# Altium PCB MD070B.PcbDoc (part 1 of 2) (continued)
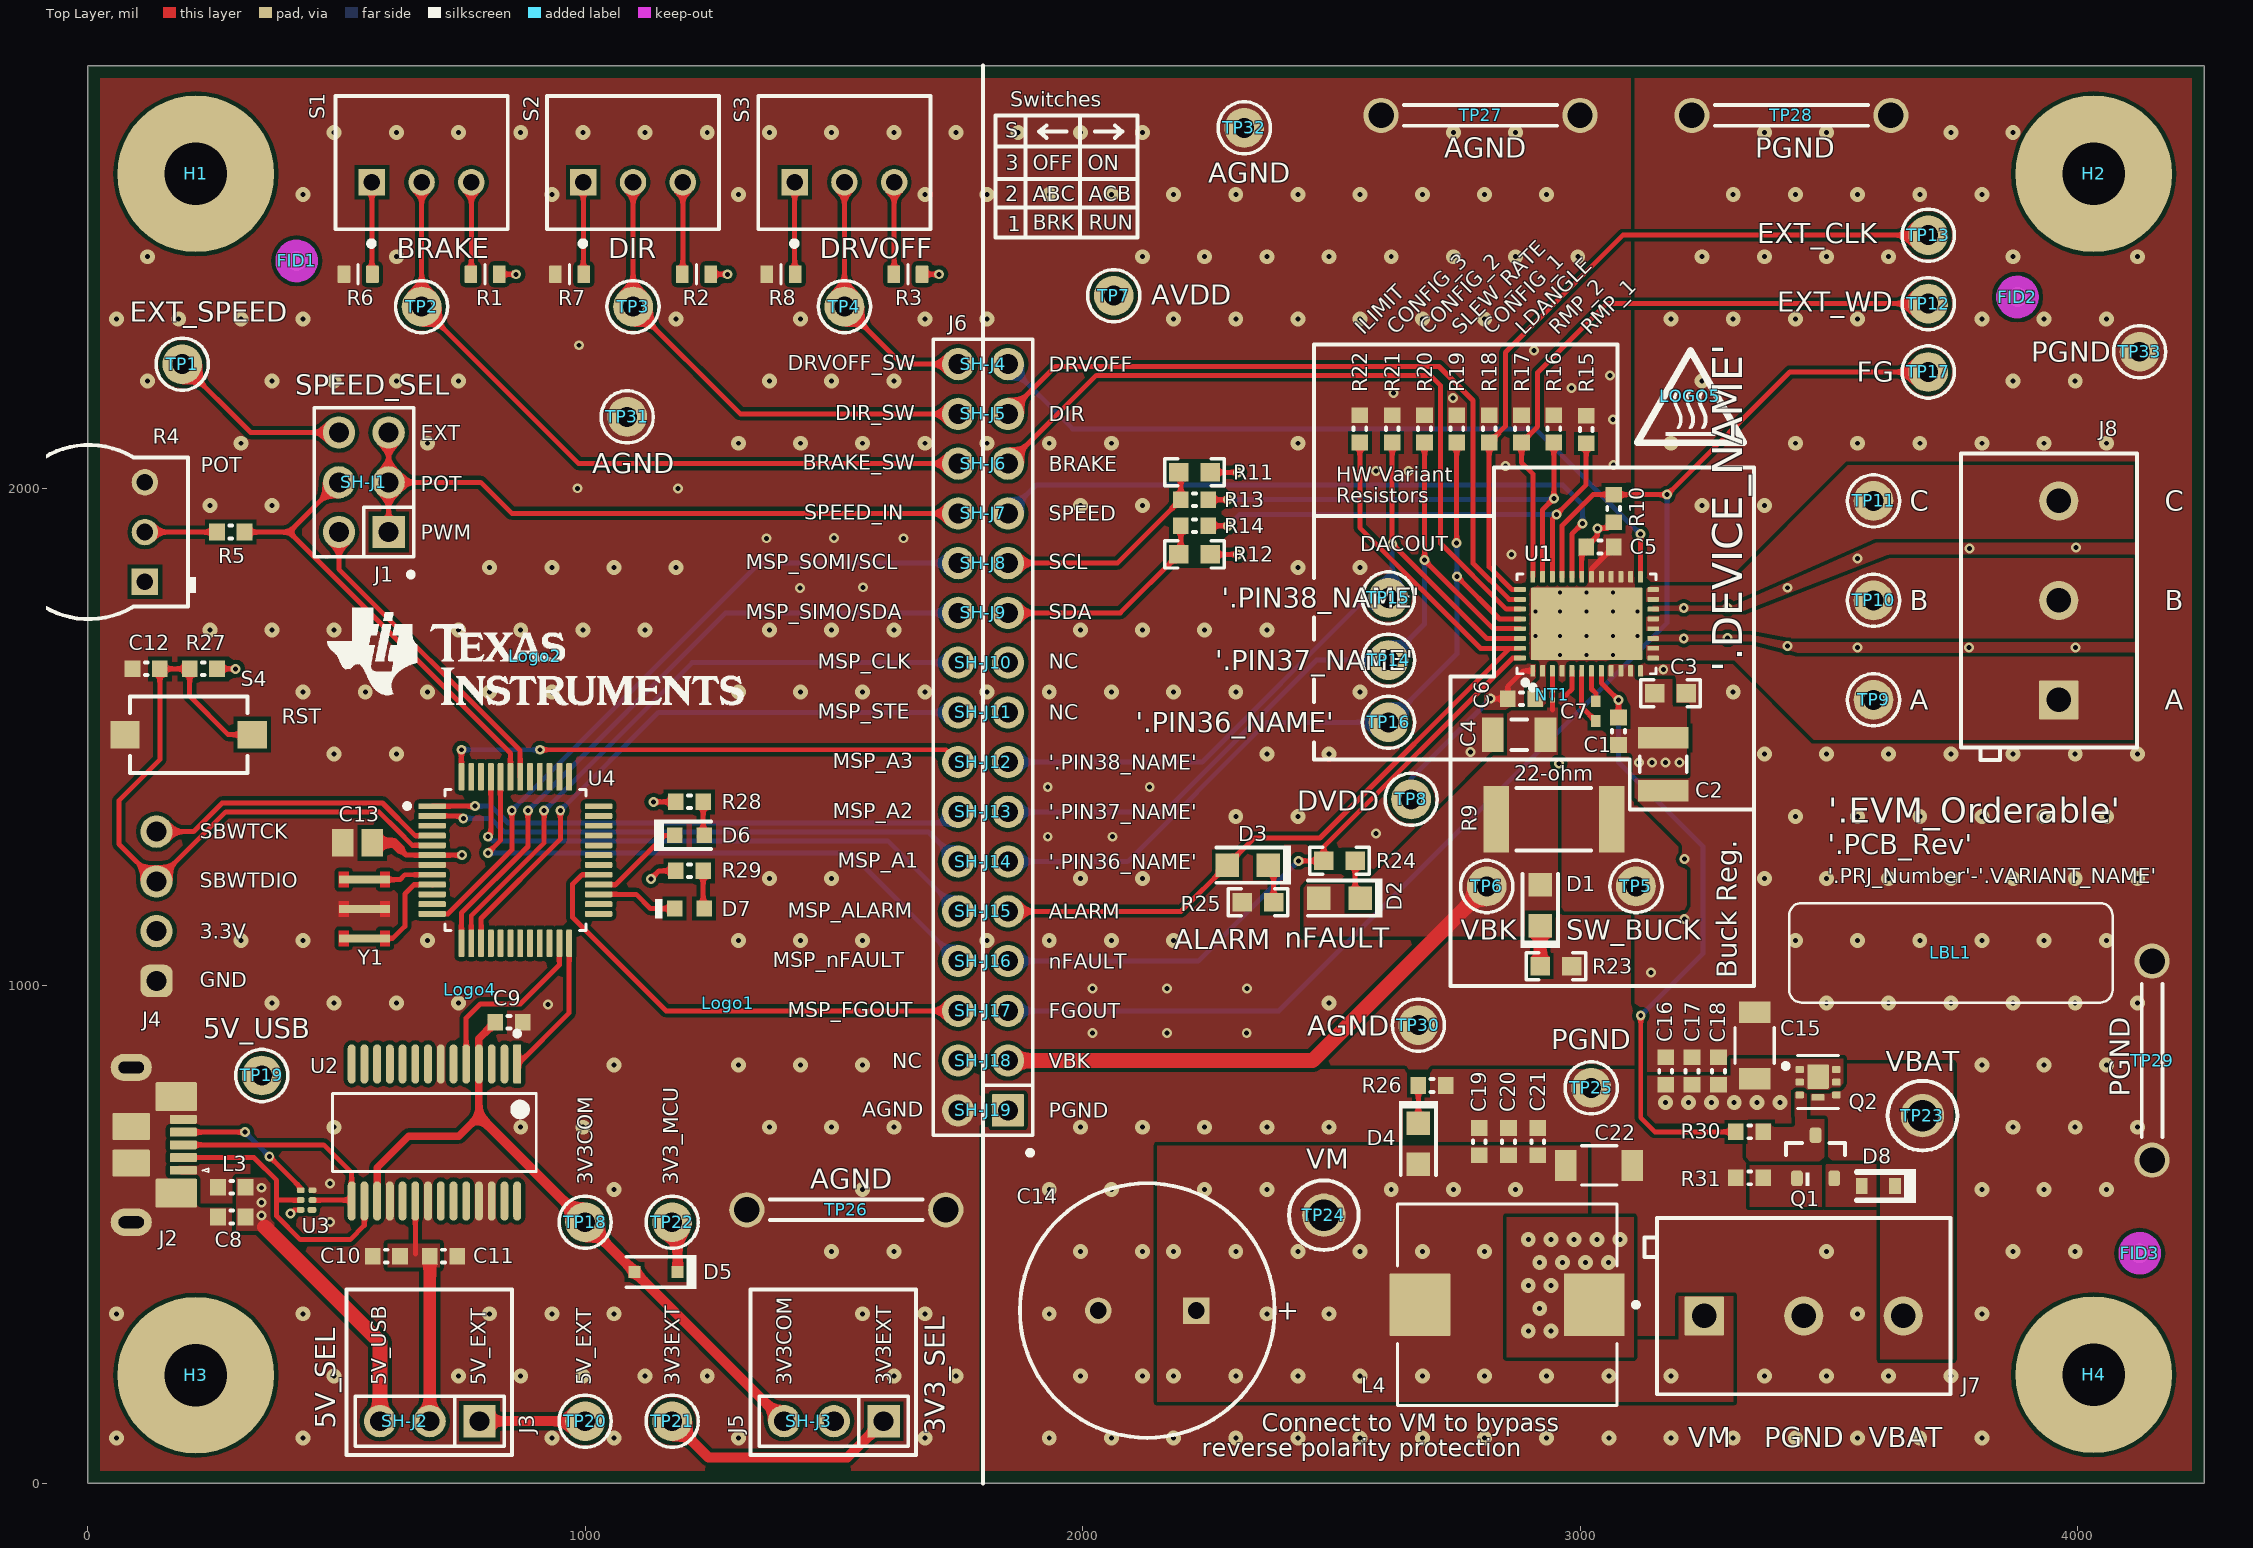
[diagram p0: Top Layer view]
## Part data (continued)
L4: library part CMP-0094173-1, "1 µH Shielded - Inductor 19 A 3.1mOhm Max Nonstandard", Digikey Part Number=283-HCM1A1104V2-1R0-RCT-ND, Manufacturer=Eaton, Mouser Part Number=504-HCM1A1104V21R0-R, Operating Temperature Range="-55°C to +155°C", Self Resonant Frequency=38MHz, Test Frequency=100kHz, Tolerance_%=20%, AEC Grade="Grade 0", AEC Qualified=Yes, ComponentLink1Description=Datasheet, ComponentLink1URL=https://www.eaton.com/content/dam/eaton/products/electronic-components/resources/data-sheet/eaton-hcm1a1104v2-automotive-power-inductors-data-sheet.pdf, datasheet=https://www.eaton.com/content/dam/eaton/products/electronic-components/resources/data-sheet/eaton-hcm1a1104v2-automotive-power-inductors-data-sheet.pdf, Datasheet Path=datasheets/Ind-HCM1A1104V2-1R0-R.pdf, DCR_ohm=3.1m, Digikey Description="FIXED IND 1UH 19A 3.1 MOHM SMD", helpURL=https://upverter.com/upn/revision/8b90632ea16fe584/, Ind_H=1µH, Irms=19A, Isat=25A, Lead Free=Yes, Material="Alloy powder", PackageReference=SMD2, Part Number=HCM1A1104V2-1R0-R, PartNumber=HCM1A1104V2-1R0-R, RoHS=TRUE, Shrouded=true, SizeZ_mm=4mm, Supplier 1=Digikey, Supplier 2=Mouser, Supplier Part Number 1=283-HCM1A1104V2-1R0-RCT-ND, Supplier Part Number 2=504-HCM1A1104V21R0-R
LBL1: library part CMP-0003625-1, Manufacturer=Brady, Supplier Part Number 1=97C5133, ClassName=Label, ComponentLink1Description="Web Page", ComponentLink1URL=http://www.bradyid.com/bradyid/pdpv/THT-14-423-10.html, CompType=Label, Key=THT-14-423-10, LatestRevisionDate=2017-03-09, MountType=N/A, PackageReference="PCB Label 0.650 x 0.200 inch", PartNumber=THT-14-423-10, Publisher="Texas Instruments", RoHS=Y, Supplier 1=Newark, Supplier 2=Farnell, Supplier Part Number 2=2065596
Logo1: library part CMP-0074844-1, LatestRevisionDate=2017-07-06, Lib Reference="CE Mark", PartNumber="CE Mark", Published=2009-03-03, Publisher="Texas Instruments", SymbolCreator=a0412235
Logo2: library part CMP-0074838-1, "Texas Instrument Corporate Signature", ClassName=Logo, LatestRevisionDate=2017-07-06, Lib Reference=TI_Logo, PartNumber="Texas Instruments", Published=2009-03-03, Publisher="Texas Instruments", SymbolCreator=a0412235, SymbolVersion=2011-08-22
Logo3: library part CMP-0074847-1, "FCC_disclaimer", LatestRevisionDate=2017-07-06, Lib Reference=FCC_disclaimer, PartNumber="FCC disclaimer", Published=2009-03-03, Publisher="Texas Instruments"
Logo4: library part CMP-0074769-1, Lib Reference="WEEE logo", PartNumber="WEEE logo"
LOGO5 LOGO6: library part CMP-0074837-1, "IEC 61010-1 Hot Surface Warning", LatestRevisionDate=2017-07-06, Lib Reference=IEC_HotSurface, PartNumber="CAUTION HOT SURFACE", Published=2009-03-03, Publisher="Texas Instruments", SymbolCreator=a0412235, SymbolVersion=2011-08-22
NT1 NT2: library part CMP-0078142-4, "Single point connection between nets.", Manufacturer=N/A, CompType=Net-Tie, MountType=SMT, PackageReference=N/A, PartNumber=N/A
Q1: library part CMP-0000467-2, "Transistor, NPN, 80 V, 1.5 A, AEC-Q101, SOT-23", Manufacturer="Diodes Inc.", Supplier Part Number 1=FMMT620CT-ND, Value1="1.5 A", Value2=900, AEC Category=Q101, AEC Qualified=Y, ComponentLink1Description="Datasheet link", ComponentLink1URL=http://www.diodes.com/datasheets/FMMT620.pdf, CompType=BJT, HfeMax=900, IcRated_A=1.5A, LatestRevisionDate=2017-03-09, MountType=SMT, NPN=1, PackageReference=SOT-23, PartNumber=FMMT620TA, PNP=0, Published=2008-07-31, Publisher="Texas Instruments", RoHS=Y, SizeArea_mm2=7.5, SizeAreaWB_mm2=14, SizeX_mm=2.5, SizeY_mm=3, SizeZ_mm=1.1, Supplier 1=Digi-Key, Supplier 2=Newark, Supplier 3=Mouser, Supplier Part Number 2=65T9129, Supplier Part Number 3=522-FMMT620TA, TaMax_C=150°C, TaMin_C=-55°C, U/M=EA, Vceo_V=80V, Vcesat1_V=160mV
Q2: library part CMP-0088880-1, "N-Channel 40V 8A (Ta) 15W (Tc) Surface Mount DFN2020MD-6", Digikey Part Number=1727-7413-1-ND, Drain To Source Breakdown Voltage=40V, Input Capacitace At Vds="637pF @ 20V", Manufacturer=Nexperia, Mouser Part Number=771-BUK9D23-40EX, Operating Temperature Range="-55°C to +175°C", Power_W=2.3W, Pulse Drain Current=76A, Typ Forward Diode Voltage=0.8V, AEC Grade="Grade 0", AEC Qualified=Yes, ChMode=False, ComponentLink1Description=Datasheet, ComponentLink1URL=https://assets.nexperia.com/documents/data-sheet/BUK9D23-40E.pdf, datasheet=https://assets.nexperia.com/documents/data-sheet/BUK9D23-40E.pdf, Datasheet Path=datasheets/Trans-BUK9D23-40EX.pdf, Device Class L1="Discrete Semiconductors", Device Class L2=Transistors, Device Class L3=MOSFETs, Digikey Description="MOSFET N-CH 40V 8A 6DFN2020MD", helpURL=https://upverter.com/upn/revision/bf3b926f6919405d/, IdsMax_A=8A, Lead Free=Yes, Number Of Channels=1, Number Of N Channels=1, PackageReference=SOT1220, Part Number=BUK9D23-40EX, PartNumber=BUK9D23-40EX, QgTyp_nC="11.5nC @ 10V", Rdson45_ohm=0.018, Reverse Recovery Charge=5.3nC, Reverse Recovery Time=12.9ns, RoHS=TRUE, Rthja Max=57K/W, SizeZ_mm=0.65mm, TaMax_C=+175°C, TaMin_C=-55°C, Threshold Vgs Max=2.1V, Threshold Vgs Min=1.4V, Tjmax_C=+175°C, Transconductance=39S, Turn Off Delay Time=12ns, Turn On Delay Time=2ns, VdsMax_V=1.2V, Vgs_V=15V
R1 R2 R3 R6 R7 R8: library part CMP-0092019-1, "Res Thin Film 0603 10K Ohm 0.1% 1/10W ±10ppm/°C Molded SMD SMD Punched Carrier T/R", Digikey Part Number=P10KBDCT-ND, Manufacturer=Panasonic, Mouser Part Number=667-ERA-3ARB103V, Operating Temperature Range="-55°C to +155°C", Power_W=100mW, TempCo=10ppm/°C, Tolerance_%=0.1%, AEC Grade="Grade 0", AEC Qualified=Yes, ComponentLink1Description=Datasheet, ComponentLink1URL=https://industrial.panasonic.com/cdbs/www-data/pdf/RDM0000/AOA0000C307.pdf, datasheet=https://industrial.panasonic.com/cdbs/www-data/pdf/RDM0000/AOA0000C307.pdf, Datasheet Path=datasheets/Res-ERA-3ARB103V.pdf, Digikey Description="RES SMD 10K OHM 0.1% 1/10W 0603", helpURL=https://upverter.com/upn/revision/497126050f1df72a/, Lead Free=Yes, Mouser Description="Res Thin Film 0603 10K Ohm 0.1% 1/10W ±10ppm/°C Molded SMD SMD Punched Carrier T/R", PackageReference=0603, Part Number=ERA-3ARB103V, PartNumber=ERA-3ARB103V, Res_ohm=10k, RoHS=TRUE, Series=ERA, SizeZ_mm=0.55mm, Supplier 1=Digikey, Supplier 2=Mouser, Supplier Part Number 1=P10KBDCT-ND, Supplier Part Number 2=667-ERA-3ARB103V, Technology="Thin Film", VDC_V=75V
R4: library part CMP-0001776-2, "Trimmer Potentiometer, 25kohm, 0.5W, TH", Manufacturer=Bourns, Supplier Part Number 1=3352T-253LF-ND, ComponentLink1Description="Datasheet URL", ComponentLink1URL=http://www.bourns.com/data/global/PDFs/3352.pdf, CompType=Trimmer, LatestRevisionDate=09/03/2017, MountType=TH, PackageReference=9.53x8.89mm, PartNumber=3352T-1-253LF, Publisher="Texas Instruments", RoHS=Y, Supplier 1=Digi-Key, Supplier 2=Newark, Supplier 3=Mouser, Supplier Part Number 2=32K8170, Supplier Part Number 3=652-3352T-1-253LF
R5 R13 R14 R15 R16 R17 R18 R19 R20 R21 R22: library part CMP-0025874-4, "RES, 0, 5%, 0.1 W, AEC-Q200 Grade 0, 0603", Manufacturer=Panasonic, Power_W=100mW, Supplier Part Number 1=P0.0GCT-ND, TempCo="600 ppm/C", Tolerance_%=5%, Value2=0.1W, Value_Code=0000, ValueDisplayed=0, AEC Category=Q200, AEC Grade=0, AEC Qualified=Y, ComponentLink1Description="Datasheet link", ComponentLink1URL=https://industrial.panasonic.com/cdbs/www-data/pdf/RDA0000/AOA0000C301.pdf, CompType=Resistor, EIA_Code=E24, MountType=SMT, PackageReference=0603, PartNumber=ERJ-3GEY0R00V, Res_ohm=0, RoHS=Y, SizeArea_mm2=1.28, SizeAreaWB_mm2=4.68, SizeX_mm=1.6, SizeY_mm=0.8, SizeZ_mm=1, Supplier 1=Digi-Key, Supplier 2=Mouser, Supplier 3=Farnell, Supplier Part Number 2=667-ERJ-3GEY0R00V, Supplier Part Number 3=2059527, Technology="Thick Film", Value1=5%, VDC_V=50V
R9: library part CMP-0015919-3, "RES, 22, 5%, 1.5 W, AEC-Q200 Grade 0, 2512", Manufacturer=Vishay-Dale, Power_W=1.5W, TempCo="200 ppm/C", Tolerance_%=5%, Value_Code=22R0, ValueDisplayed=22, AEC Category=Q200, AEC Grade=0, AEC Qualified=Y, ComponentLink1Description="Datasheet link", ComponentLink1URL=http://www.vishay.com/docs/20043/crcwhpe3.pdf, CompType=Resistor, EIA_Code=E24, MountType=SMT, PackageReference=2512, PartNumber=CRCW251222R0JNEGHP, Res_ohm=22, RoHS=E, SizeArea_mm2=20.16, SizeX_mm=6.3, SizeY_mm=3.2, SizeZ_mm=0.71, Technology="Thick Film", Value1=5%, Value2=1.5W, VDC_V=500V
R10: library part CMP-0025830-4, "RES, 5.1 k, 5%, 0.1 W, AEC-Q200 Grade 0, 0603", Manufacturer=Vishay-Dale, Power_W=100mW, Supplier Part Number 1=541-5.1KGCT-ND, TempCo="200 ppm/C", Tolerance_%=5%, Value2=0.1W, Value_Code=5k10, ValueDisplayed=5.1k, AEC Category=Q200, AEC Grade=0, AEC Qualified=Y, ComponentLink1Description="Datasheet link", ComponentLink1URL=http://www.vishay.com/docs/20035/dcrcwe3.pdf, CompType=Resistor, EIA_Code=E24, MountType=SMT, PackageReference=0603, PartNumber=CRCW06035K10JNEA, Res_ohm=5.1k, RoHS=E, SizeArea_mm2=1.28, SizeX_mm=1.6, SizeY_mm=0.8, SizeZ_mm=1, Supplier 1=Digi-Key, Supplier 2=Newark, Supplier 3=Farnell, Supplier Part Number 2=89M6773, Supplier Part Number 3=1570751, Technology="Thick Film", Value1=5%, VDC_V=75V
R11 R12 R30 R31: library part CMP-0025701-4, "RES, 10 k, 5%, 0.1 W, AEC-Q200 Grade 0, 0603", Manufacturer=Vishay-Dale, Power_W=100mW, Supplier Part Number 1=541-10KGCT-ND, TempCo="200 ppm/C", Tolerance_%=5%, Value2=0.1W, Value_Code=10k0, ValueDisplayed=10k, AEC Category=Q200, AEC Grade=0, AEC Qualified=Y, ComponentLink1Description="Datasheet link", ComponentLink1URL=http://www.vishay.com/docs/20035/dcrcwe3.pdf, CompType=Resistor, EIA_Code=E24, MountType=SMT, PackageReference=0603, PartNumber=CRCW060310K0JNEA, Res_ohm=10k, RoHS=E, SizeArea_mm2=1.28, SizeX_mm=1.6, SizeY_mm=0.8, SizeZ_mm=1, Supplier 1=Digi-Key, Supplier 2=Newark, Supplier 3=Mouser, Supplier Part Number 2=52K8066, Supplier Part Number 3=71-CRCW0603J-10K-E3, Technology="Thick Film", Value1=5%, VDC_V=75V
R23 R24: library part CMP-0022895-5, "RES, 1.00 k, 1%, 0.1 W, 0603", Manufacturer=Yageo, Power_W=100mW, Supplier Part Number 1=311-1.00KHRCT-ND, TempCo="100 ppm/C", Tolerance_%=1%, Value2=0.1W, Value_Code=1k00, ValueDisplayed=1.00k, AEC Category=Q200, AEC Grade=N/A, AEC Qualified=N, ComponentLink1Description="Datasheet link", ComponentLink1URL=http://www.yageo.com/pdf/Pu-RC0603_51_PbFree_L_2.pdf, CompType=Resistor, EIA_Code=E96, MountType=SMT, PackageReference=0603, PartNumber=RC0603FR-071KL, Res_ohm=1k, RoHS=Y, SizeArea_mm2=1.28, SizeAreaWB_mm2=4.68, SizeX_mm=1.6, SizeY_mm=0.8, SizeZ_mm=1, Supplier 1=Digi-Key, Supplier 2=Mouser, Supplier 3=Farnell, Supplier Part Number 2=603-RC0603FR-071KL, Supplier Part Number 3=9238484, Technology="Thick Film", Value1=1%, VDC_V=75V
R25 R28 R29: library part CMP-0025924-5, "RES, 470, 5%, 0.1 W, 0603", Manufacturer=Yageo, Power_W=100mW, Supplier Part Number 1=311-470GRCT-ND, TempCo="100 ppm/C", Tolerance_%=5%, Value2=0.1W, Value_Code=470R, ValueDisplayed=470, AEC Category=Q200, AEC Grade=N/A, AEC Qualified=N, ComponentLink1Description="Datasheet link", ComponentLink1URL=http://www.yageo.com/pdf/Pu-RC0603_51_PbFree_L_2.pdf, CompType=Resistor, EIA_Code=E24, MountType=SMT, PackageReference=0603, PartNumber=RC0603JR-07470RL, Res_ohm=470, RoHS=Y, SizeArea_mm2=1.28, SizeAreaWB_mm2=4.68, SizeX_mm=1.6, SizeY_mm=0.8, SizeZ_mm=1, Supplier 1=Digi-Key, Supplier 2=Mouser, Supplier 3=Farnell, Supplier Part Number 2=603-RC0603JR-07470RL, Supplier Part Number 3=9233334, Technology="Thick Film", Value1=5%, VDC_V=75V
R26: library part CMP-0024300-2, "RES, 4.70 k, 0.1%, 0.1 W, 0603", Manufacturer="Yageo America", Power_W=100mW, TempCo="25 ppm/C", Tolerance_%=0.1%, Value2=0.1W, Value_Code=4k70, ValueDisplayed=4.70k, AEC Category=Q200, AEC Qualified=?, ComponentLink1Description="Datasheet link", ComponentLink1URL=http://www.yageo.com/pdf/PYu-RT_1-to-0.05_RoHS_L_3.pdf, CompType=Resistor, EIA_Code=E192, LatestRevisionDate=2017-03-09, MountType=SMT, PackageReference=0603, PartNumber=RT0603BRD074K7L, Published=2008-06-26, Publisher="Texas Instruments", Res_ohm=4.7k, RoHS=Y, SizeArea_mm2=1.28, SizeX_mm=1.6, SizeY_mm=0.8, SizeZ_mm=1, Technology="Thin Film", U/M=EA, Value1=0.1%, VDC_V=75V
R27: library part CMP-0025925-5, "RES, 47 k, 5%, 0.1 W, 0603", Manufacturer=Yageo, Power_W=100mW, Supplier Part Number 1=311-47KGRCT-ND, TempCo="100 ppm/C", Tolerance_%=5%, Value2=0.1W, Value_Code=47k0, ValueDisplayed=47k, AEC Category=Q200, AEC Grade=N/A, AEC Qualified=N, ComponentLink1Description="Datasheet link", ComponentLink1URL=http://www.yageo.com/pdf/Pu-RC0603_51_PbFree_L_2.pdf, CompType=Resistor, EIA_Code=E24, MountType=SMT, PackageReference=0603, PartNumber=RC0603JR-0747KL, Res_ohm=47k, RoHS=Y, SizeArea_mm2=1.28, SizeAreaWB_mm2=4.68, SizeX_mm=1.6, SizeY_mm=0.8, SizeZ_mm=1, Supplier 1=Digi-Key, Supplier 2=Mouser, Supplier 3=Farnell, Supplier Part Number 2=603-RC0603JR-0747KL, Supplier Part Number 3=9233580, Technology="Thick Film", Value1=5%, VDC_V=75V
R32: library part CMP-0018760-2, "RES, 0, 5%, 0.25 W, AEC-Q200 Grade 0, 1206", Manufacturer=Vishay-Dale, Power_W=250mW, Supplier Part Number 1=541-2239-1-ND, TempCo=ppm/C, Tolerance_%=5%, Value2=0.25W, Value_Code=0000, ValueDisplayed=0, AEC Category=Q200, AEC Grade=0, AEC Qualified=Y, ComponentLink1Description="Datasheet link", ComponentLink1URL=http://www.vishay.com/docs/20037/rcae3.pdf, CompType=Resistor, EIA_Code=E24, LatestRevisionDate=2017-03-09, MountType=SMT, PackageReference=1206, PartNumber=RCA12060000ZSEA, Published=2008-06-26, Publisher="Texas Instruments", Res_ohm=0, RoHS=Y, SizeArea_mm2=5.12, SizeX_mm=3.2, SizeY_mm=1.6, SizeZ_mm=1.35, Supplier 1=Digi-Key, Supplier 2=Newark, Supplier 3=Farnell, Supplier Part Number 2=98Y2329, Supplier Part Number 3=2616593, Technology="Thick Film", U/M=EA, Value1=5%
S1 S2 S3: library part CMP-0002155-2, "SWITCH TOGGLE SPDT 0.4VA 28V", CurrentRating_mA=100A, Manufacturer="NKK Switches", PartNumber=B12AP, Supplier Part Number 1=360-1012-ND, Circuit=SPDT, ComponentLink1Description="Datasheet URL", ComponentLink1URL=http://www.nkkswitches.com/pdf/Btoggles.pdf, CompType=Switch, LatestRevisionDate=2017-03-09, MountType=TH, Orientation="Top Actuated", PackageReference=6.8x23.1x8.8mm, PositionCount=2, Publisher="Texas Instruments", RoHS=Y, Supplier 1=Digi-Key, Supplier 2=Newark, Supplier 3=Mouser, Supplier Part Number 2=09X8543, Supplier Part Number 3=633-B12AP, SwitchFunction=On-On, VDC_V=28V
S4: library part CMP-0002196-2, "Switch, Tactile, SPST, 12 V, SMD", CurrentRating_mA=50A, Manufacturer="Wurth Elektronik", PartNumber=434121025816, Supplier Part Number 1=31T8978, Circuit=SPST, ComponentLink1Description="Datasheet URL", ComponentLink1URL=http://katalog.we-online.de/em/datasheet/434121025816.pdf, CompType=Switch, LatestRevisionDate=2017-03-09, MountType=SMT, Orientation="Top Actuated", PackageReference="SMD, 6x3.9mm", PositionCount=1, Publisher="Texas Instruments", RoHS=Y, Supplier 1=Newark, Supplier 2=Farnell, Supplier Part Number 2=1867991, SwitchFunction=Off-On, VDC_V=12V
SH-J1 SH-J2 SH-J3 SH-J4 SH-J5 SH-J6 SH-J7 SH-J8 SH-J9 SH-J10 SH-J11 SH-J12 SH-J13 SH-J14 SH-J15 SH-J16 SH-J17 SH-J18 SH-J19: library part CMP-0003623-3, "Shunt, 100mil, Gold plated, Black", Alternate Manufacturer=3M, Alternate PartNumber=969102-0000-DA, Manufacturer=Samtec, Supplier Part Number 1=SAM8858-ND, ClassName=Shunt, ComponentLink1Description="Datasheet Link", ComponentLink1URL=http://www.samtec.com/ftppub/pdf/SNT.PDF, CompType=Shunt, MountType=N/A, PackageReference=Shunt, PartNumber=SNT-100-BK-G, RoHS=Y, Supplier 1=Digi-Key
TP1 TP2 TP3 TP4 TP12 TP13 TP14 TP15 TP16 TP17: library part CMP-0055139-1, "Test Point, Miniature, White, TH", Color=White, Manufacturer=Keystone, PartNumber=5002, Supplier Part Number 1=36-5002-ND, CNHeader=FALSE, ComponentLink1Description="Datasheet URL", ComponentLink1URL=http://www.keyelco.com/userAssets/file/M60-2p60.pdf, CompType="Test Point", ContactFinish=Silver, CT=TRUE, Green_EU RoHS=Passed, Green_EU RoHS-2=Passed, Green_Lifecycle=Active, Green_REACh=Passed, LatestRevisionDate=26/05/2017, MountType=TH, PackageReference="White Miniature Testpoint", Publisher="Texas Instruments", RoHS=Y, Supplier 1=Digi-Key, Supplier 2=Newark, Supplier 3=Mouser, Supplier Part Number 2=82H9632, Supplier Part Number 3=534-5002
TP5 TP6 TP7 TP8 TP9 TP10 TP11 TP18 TP19 TP20 TP21 TP22: library part CMP-0055137-1, "Test Point, Miniature, Red, TH", Color=Red, Manufacturer=Keystone, PartNumber=5000, Supplier Part Number 1=36-5000-ND, CNHeader=FALSE, ComponentLink1Description="Datasheet URL", ComponentLink1URL=http://www.keyelco.com/userAssets/file/M60-2p60.pdf, CompType="Test Point", ContactFinish=Silver, CT=TRUE, Green_EU RoHS=Passed, Green_EU RoHS-2=Incomplete, Green_Lifecycle=Active, Green_REACh=Passed, LatestRevisionDate=26/05/2017, MountType=TH, PackageReference="Red Miniature Testpoint", Publisher="Texas Instruments", RoHS=Y, Supplier 1=Digi-Key, Supplier 2=Mouser, Supplier Part Number 2=534-5000
TP23 TP24: library part CMP-0055142-1, "Test Point, Compact, Red, TH", Color=Red, Manufacturer=Keystone, PartNumber=5005, Supplier Part Number 1=36-5005-ND, CNHeader=FALSE, ComponentLink1Description="Datasheet URL", ComponentLink1URL=http://www.keyelco.com/userAssets/file/M60-2p60.pdf, CompType="Test Point", ContactFinish=Silver, CT=TRUE, Green_EU RoHS=Passed, Green_EU RoHS-2=Passed, Green_Lifecycle=Active, Green_REACh=Passed, LatestRevisionDate=26/05/2017, MountType=TH, PackageReference="Red Compact Testpoint", Publisher="Texas Instruments", RoHS=Y, Supplier 1=Digi-Key, Supplier 2=Mouser, Supplier Part Number 2=534-5005
TP25 TP30 TP31 TP32 TP33: library part CMP-0055138-1, "Test Point, Miniature, Black, TH", Color=Black, Manufacturer=Keystone, PartNumber=5001, Supplier Part Number 1=36-5001-ND, CNHeader=FALSE, ComponentLink1Description="Datasheet URL", ComponentLink1URL=http://www.keyelco.com/userAssets/file/M60-2p60.pdf, CompType="Test Point", ContactFinish=Silver, CT=TRUE, Green_EU RoHS=Passed, Green_EU RoHS-2=Incomplete, Green_Lifecycle=Active, Green_REACh=Passed, LatestRevisionDate=26/05/2017, MountType=TH, PackageReference="Black Miniature Testpoint", Publisher="Texas Instruments", RoHS=Y, Supplier 1=Digi-Key, Supplier 2=Mouser, Supplier Part Number 2=534-5001
TP26 TP27 TP28 TP29: library part CMP-0075110-1, "1mm Uninsulated Shorting Plug, 10.16mm spacing, TH", Manufacturer=Harwin, PartNumber=D3082-05, Supplier Part Number 1=952-1873-ND, CNHeader=False, ComponentLink1Description="Datasheet URL", ComponentLink1URL=http://cdn.harwin.com/pdfs/D3080-D3083.pdf, CompType="Jumper Wire", CT=False, Green_EU RoHS="Passed with Exemption", Green_EU RoHS-2=Passed, Green_Lifecycle=Active, Green_REACh=Passed, LatestRevisionDate=2017-07-12, MountType=TH, PackageReference="Shorting Plug, 10.16mm spacing, TH", Publisher="Texas Instruments", RoHS=Y, Supplier 1=Digi-Key, Supplier 2=Newark, Supplier 3=Mouser, Supplier Part Number 2=01E9240, Supplier Part Number 3=855-D3082-05
U1: library part CMP-0097011-1, "High Speed Sensorless Trapezoidal Control Integrated FET BLDC Driver"
U1: library part CMP-0122421-1, "Sensorless Field Oriented Control (FOC) Integrated FET BLDC Driver", Digikey Part Number=296-MCF8315C1VQRGFRQ1CT-ND, Manufacturer="Texas Instruments", Max Supply Voltage=35V, Min Supply Voltage=4.5V, Mouser Part Number=595-MCF8315C1VQRGFQ1, Nominal Supply Current=11-28mA, Operating Temperature Range="-40°C to +125°C", AEC Grade="Grade 1", AEC Qualified=Yes, ComponentLink1Description=Datasheet, ComponentLink1URL=https://www.ti.com/lit/ds/symlink/mcf8315c-q1.pdf, datasheet=https://www.ti.com/lit/ds/symlink/mcf8315c-q1.pdf, Datasheet Path=datasheets/IC-MCF8315C1VQRGFRQ1.pdf, Digikey Description="AUTOMOTIVE, 40V MAX, 4A PEAK, SE", helpURL=https://upverter.com/upn/revision/513decdd14bf9ffb/, Lead Free=Yes, Motor Type="Brushless DC", Number Of Outputs=3, PackageReference=VQFN40, Part Number=MCF8315C1VQRGFRQ1, PartNumber=MCF8315C1VQRGFRQ1, RoHS=TRUE, SizeZ_mm=1mm, Standoff Height=0mm, TaMax_C=+125°C, TaMin_C=-40°C, Tjmax_C=+150°C
U2: library part CMP-0121693-1, "UART Interface IC USB Full Speed to Serial UART IC, Includes Oscillator and EEPROM, SSOP-28", Digikey Part Number=768-FT232RNL-REELCT-ND, Manufacturer=FTDI, Max Supply Voltage=5.25V, Min Supply Voltage=1.8V, Mouser Part Number=895-FT232RNL-REEL, Nominal Supply Current=7mA, Operating Temperature Range="-40°C to +85°C", AEC Qualified=No, ComponentLink1Description=Datasheet, ComponentLink1URL=https://ftdichip.com/wp-content/uploads/2023/03/DS_FT232RN.pdf, Data Rate=3Mbits/s, datasheet=https://ftdichip.com/wp-content/uploads/2023/03/DS_FT232RN.pdf, Datasheet Path=datasheets/IC-FT232RNL-REEL.pdf, Digikey Description="USB FULL SPEED TO SERIAL UART IC", helpURL=https://upverter.com/upn/revision/7db2f58cc6935634/, Interface=UART,USB, Lead Free=Yes, Mouser Description="Integrated Circuit Interface USB-UART; RS-232; 12Mbs; 3, 3v-5.25V; -40+85 deg.C; SMD; SSOP28", Number Of Ports=1, PackageReference=SSOP28, Part Number=FT232RNL-REEL, PartNumber=FT232RNL-REEL, RoHS=TRUE, SizeZ_mm=2mm, Standoff Height=0.05mm, Supplier 1=Digikey, Supplier 2=Mouser, Supplier Part Number 1=768-FT232RNL-REELCT-ND, Supplier Part Number 2=895-FT232RNL-REEL, TaMax_C=+85°C, TaMin_C=-40°C, Usb Standard="USB 2.0"
U3: library part CMP-0043115-3, "4-Channel ESD Protection Array for High-Speed Data Interfaces, DRY0006A (USON-6)", Breakdown Voltage(Min)(V)=6, IO Capacitance(Typ)(pF)=1.6, IO Leakage Current(nA)=1, Manufacturer="Texas Instruments", Operating Temperature Range="-40 to 85 C", Rating=Catalog, 1394 / Firewire=TRUE, AEC Category=Q200, AEC Qualified=N, ComponentLink1Description="Datasheet Link", ComponentLink1URL=http://www.ti.com/lit/ds/symlink/tpd4e004.pdf, ComponentLink2Description="Product Folder", ComponentLink2URL=http://www.ti.com/product/tpd4e004, ComponentLink3Description="Online Datasheet", ComponentLink3URL=http://www.ti.com/product/tpd4e004/datasheet, CompType=IC, Eco-Plan="Green (RoHS & no Sb/Br)", IEC 61000-4-2 Air-Gap(+/- kV)=12, IEC 61000-4-2 Contact(+/- kV)=8, MountType=SMT, PackageDescription=USON-6, PackageReference=DRY0006A, PartNumber=TPD4E004DRYR, RoHS=Y, Serial ATA / eSATA=TRUE, SizeArea_mm2=1.45, SizeAreaWB_mm2=4.9, SizeX_mm=1.0, SizeY_mm=1.45, SizeZ_mm=0.6, USB High Speed=TRUE
U4: library part CMP-0089204-1, "CPU16 MSP430™ FRAM Microcontroller IC 16-Bit 24MHz 32KB (32K x 8) FRAM 48-LQFP (7x7)", Digikey Part Number=296-50261-1-ND, Frequency_Fixed=24MHz, Manufacturer="Texas Instruments", Max Supply Voltage=3.6V, Min Supply Voltage=1.8V, Mouser Part Number=595-MSP430FR2355TPTR, Operating Temperature Range="-40°C to +105°C", AEC Qualified=No, ComponentLink1Description=Datasheet, ComponentLink1URL=http://www.ti.com/lit/ds/symlink/msp430fr2355.pdf, Core Architecture=RISC, Data Bus Width=16bits, datasheet=http://www.ti.com/lit/ds/symlink/msp430fr2355.pdf, Datasheet Path=datasheets/IC-MSP430FR2355TPTR.pdf, Device Class L1="Integrated Circuits (ICs)", Device Class L2="Embedded Processors and Controllers", Device Class L3=Microcontrollers, Digikey Description="IC MCU 16BIT 32KB FRAM 48LQFP", helpURL=https://upverter.com/upn/revision/f866b8320dbaa695/, Interface=I2C,SPI,UART,USART,SCI,IrDA, Lead Free=Yes, Memory Size=32KBytes, Memory Type=OTHER, Number Of A/D Converters=1, Number Of Adc Channels=12, Number Of Cores=1, Number Of I2C Channels=2, Number Of I/Os=44, Number Of Spi Channels=4, Number Of Timers/Counters=4, Number Of Uart Channels=2, PackageReference=LQFP48, Part Number=MSP430FR2355TPTR, PartNumber=MSP430FR2355TPTR, Ram Size=4KBytes, RoHS=TRUE, SizeZ_mm=1.6mm, Standoff Height=0.05mm, TaMax_C=+105°C, TaMin_C=-40°C, Tjmax_C=+115°C
Y1: library part CMP-0084387-1, "Resonator, 4 MHz, 39 pF, AEC-Q200 Grade 1, SMD", Frequency_Fixed=4MHz, Load Capacitance="39 pF", Manufacturer=MuRata, AEC Category=Q200, AEC Grade=1, AEC Qualified=Y, ComponentLink1Description="Datasheet Link", ComponentLink1URL=https://www.murata.com/~/media/webrenewal/support/library/catalog/products/timingdevice/ceralock/p16e.ashx, CompType=Resonator, MountType=SMT, PackageReference="4.5x1.2x2 mm", PartNumber=CSTCR4M00G55B-R0, RoHS=Y, SizeArea_mm2=9, SizeAreaWB_mm2=16.5, SizeX_mm=4.5, SizeY_mm=2, SizeZ_mm=1.2, TaMax_C=125°C, TaMin_C=-40°C
ZZ1: library part CMP-0003616-3, ClassName=AssemblyNote, CompType=AssemblyNote, Key=AssemblyNoteLabel, LatestRevisionDate=2017-03-09, Publisher="Texas Instruments"
ZZ2: library part CMP-0077236-1, ClassName=AssemblyNote, CompType=AssemblyNote, Key=AssemblyNote, LatestRevisionDate=2017-08-10, Publisher="Texas Instruments"
ZZ3: library part CMP-0077237-1, ClassName=AssemblyNote, CompType=AssemblyNote, Key=AssemblyNote, LatestRevisionDate=2017-08-10, Publisher="Texas Instruments"
ZZ4: library part CMP-0077238-1, ClassName=AssemblyNote, CompType=AssemblyNote, Key=AssemblyNote, LatestRevisionDate=2017-08-10, Publisher="Texas Instruments"

## Via types
v1: diameter 30, hole 10, Top Layer to Bottom Layer, tented both sides, 326 vias
v2: diameter 20, hole 10, Top Layer to Bottom Layer, tented both sides, 90 vias
v3: diameter 19.68, hole 7.87, Top Layer to Bottom Layer, 16 vias
v4: diameter 19.68, hole 7.87, Top Layer to Bottom Layer, tented both sides, 16 vias
v5: diameter 20, hole 10, Top Layer to Bottom Layer, 6 vias

## Nets (pads, with @x,y where several pads share a name; then routed paths per layer and width w, separated by ;. In a path a pad name is that pad's centre, name@x,y a point inside that pad or via, vN(x,y) a via of type N, cw(c..) or ccw(c..) an arc to the next point about the centre after c; other vN are vias at no path point)
3V3_MCU: C13.1 D5.1 J4.2 J5.2 R27.2 R28.2 R29.2 TP22.1 U4.6 | length 434.2
  Top Layer w10: R27.2@260.06,1637.5 v2(297.5,1637.5) ; 627.54,1275.51 640.11,1262.93 693.3,1262.93 v2(752.5,1262.93) ; v2(1131.95,1214.99) 1148.39,1231.43 R29.2@1182.08,1231.43 ; v2(1137.5,1370) 1181.88,1370 R28.2@1182.08,1370.2
  Top Layer w20: C13.1@572.03,1287.5 615.54,1287.5 627.54,1275.51 ; TP22.1@1175,525 1185.81,514.19 D5.1@1185.81,425
3V3COM: C9.1 D5.2 J5.3 TP18.1 U2.4 U2.17 | length 1382.9
  Top Layer w15: U2.17@581.82,569.59 581.82,635.04 644.88,698.09 746.19,698.09 786.55,738.45 786.55,841.24 786.55,894.06 C9.1@819.58,927.09
  Top Layer w20: 786.55,738.45 TP18.1@1000,525 J5.3@1400,125
3V3EXT: J5.1 TP21.1 | length 485.1
  Top Layer w20: TP21.1@1175,125 1247.5,52.5 1527.5,52.5 J5.1@1600,125
5V_EXT: J3.1 TP20.1 | length 212.5
  Top Layer w20: J3.1@787.5,125 TP20.1@1000,125
5V_USB: C8.1 J3.3 L3.1 TP19.1 U3.6 | length 510.5
  Top Layer w10: v2(407.5,542.5) 414.91,549.91 U3.6@428.19,549.91
  Top Layer w30: 355.49,515.64 587.5,283.63 J3.3@587.5,125
  other v2: 349.64,538.74 349.78,565.08 349.64,594.33
5VCC: C10.2 C11.1 J3.2 U2.20 | length 440.1
  Top Layer w10: 658.6,461.54 U2.20@658.6,569.59
  Top Layer w25: J3.2@687.5,125 687.73,125.23 C11.1@687.73,456.96